# Altium PCB Monitait_V2.PcbDoc (part 1 of 2)
Units mm, origin at the board's own origin, x right, y up, seen from the top; angles counter-clockwise.
Board outline 155 x 115 mm, 2 copper layers (Top Layer, Bottom Layer); 104 components, 93 nets, 350 pads, 300 vias.
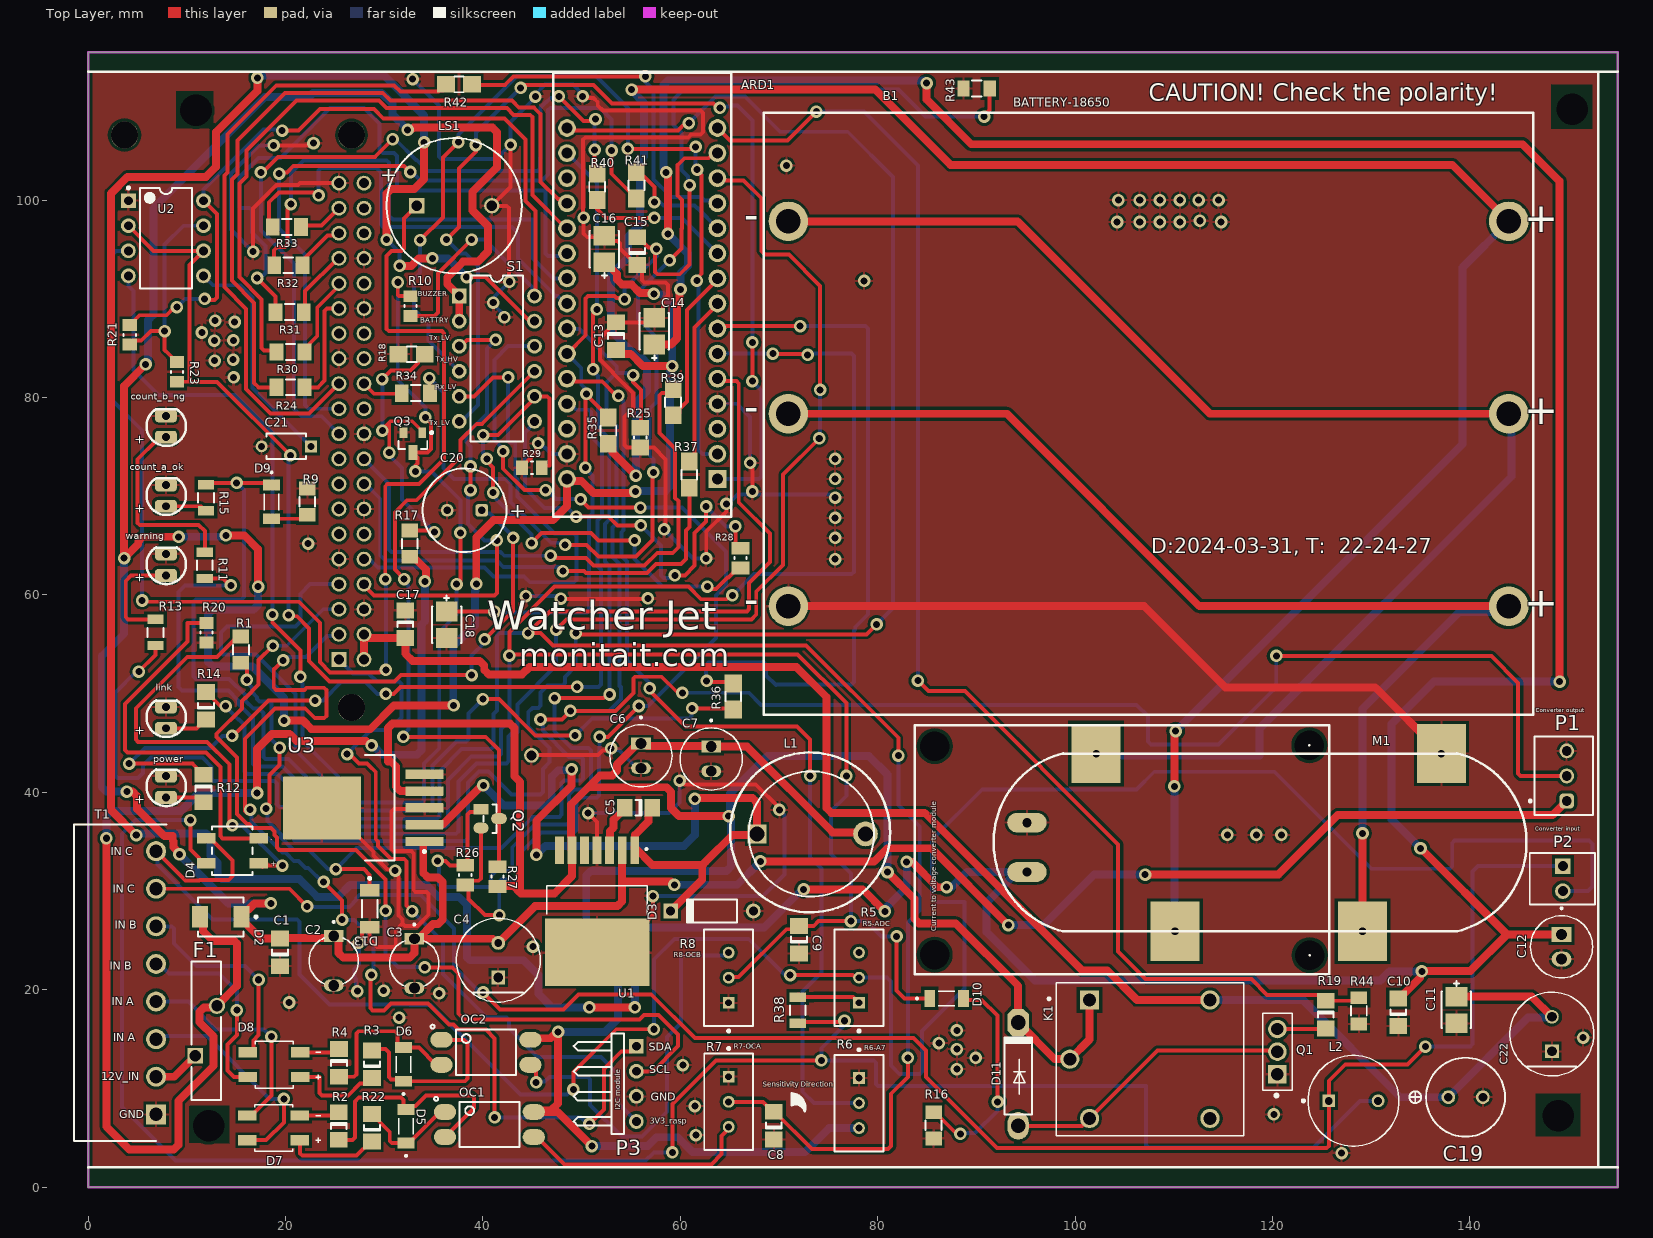
[diagram p0: Top Layer view]
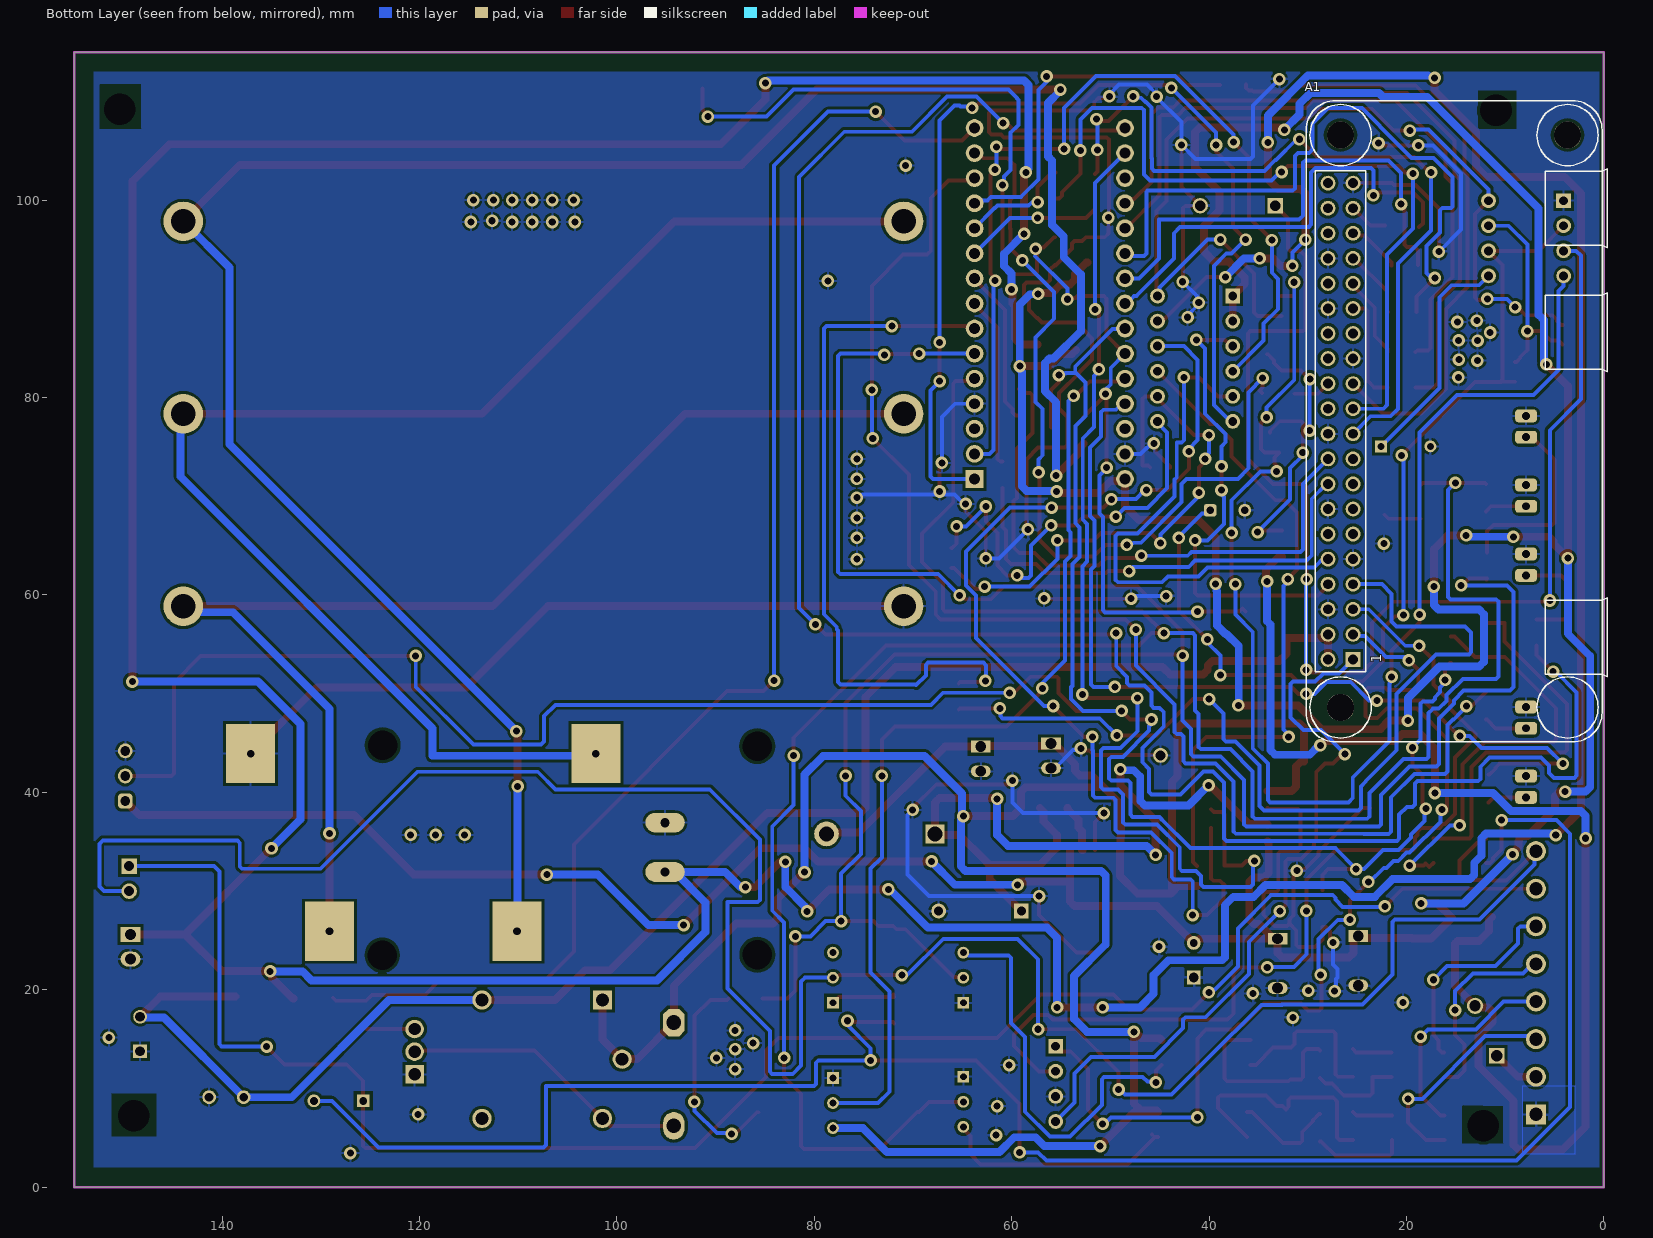
[diagram p1: Bottom Layer view, seen from below]

## Layer stack, top to bottom
Top Solder: solder mask 0.0102, Solder Resist, Dk 3.5
Top Layer: signal copper 0.0356
Dielectric 1: dielectric 0.32, FR-4, Dk 4.8
Bottom Layer: signal copper 0.0356
Bottom Solder: solder mask 0.0102, Solder Resist, Dk 3.5

## Board outline
0,0 155,0 155,115 0,115

## Design rules (kind name [scope] priority, off if disabled: settings)
Clearance [All] p1: gap=0.3 ignorepadtopadclearanceinfootprint=TRUE
ComponentClearance [All] p1: gap=0 collisioncheckmode=3 verticalgap=0 showdistances=FALSE
PolygonConnect [All] p1: connectstyle=Relief reliefconductorwidth=0.254 reliefentries=4 polygonreliefangle="90 Angle" airgapwidth=0.254
RoutingVias [All] p1: holewidth=0.711 width=1.27 viastyle="Through Hole" minholewidth=0.711 minwidth=1.27 maxholewidth=0.711 maxwidth=1.27
SilkToSilkClearance [All] p1: silktosilkclearance=-0.025
SolderMaskExpansion [All] p1: expansion=0.102 istentingtop=FALSE
Width [All] p1: maxlimit=2 minlimit=0.4 preferedwidth=0.4
28 further rules are at their usual default settings.

## Components (designator, comment, footprint, x,y, rotation, side; value= is the part's Value field where it differs from the comment)
A1 "ADA3708" ADA3708_RPI-ZERO 26.67,77.597 r90 bottom
ARD1 "Nano R3" Arduino_Nano_R3 56.134,89.535 r180 top
B1 "Battery_18650" Battery-18650 107.442,78.359 r180 top
C1 "C1206" 1206 19.441,23.775 r90 top value=0.47uf
C2 "22uf16v" CAPPRD500W45D500H500 24.874,22.924 r270 top
C3 "22uf16v" CAPPRD500W45D500H500 33.043,22.663 r270 top
C4 "1000uF" FP-RAD-TH-D_8_0_5-L_15_1-MFG#1 41.547,22.989 r90 top
C5 "C1206" 1206 55.756,38.437 r180 top value=0.01uF
C6 "180uF16v" CAPPRD250W50D630H1650#1 56.007,43.688 r270 top
C7 "180uF16v" CAPPRD250W50D630H1650#1 63.127,43.378 r270 top
C8 "C1206" 1206 69.469,6.223 r90 top value=1uf
C9 "C1206" 1206 72.018,25.063 r90 top value=1uf
C10 "C1206" 1206 132.754,17.71 r90 top value=100nF
C11 "10UF" FP-T491B106K020AT-MFG 138.643,17.942 r90 top
C12 "180uF16v" CAPPRD250W50D630H1650#2 149.297,24.346 r270 top
C13 "C1206" 1206 53.484,86.226 r270 top value=100nF
C14 "10UF" FP-T491B106K020AT-MFG 57.359,86.732 r270 top
C15 "C1206" 1206 55.621,94.846 r90 top value=100nF
C16 "10UF" FP-T491B106K020AT-MFG 52.297,95.053 r270 top
C17 "C1206" 1206 32.131,57.023 r270 top value=100nF
C18 "10UF" FP-T491B106K020AT-MFG 36.322,56.98 r90 top
C19 "EEU-FR1C102L" PNSC-FR-A-8X20-2_V 139.571,9.101 r0 top
C20 "10uF" WCAP-ATLL_D8H11.5 38.128,68.58 r0 top
C21 "0.1uF" FP-K15H5-MFG 20.066,75.057 r180 top
C22 "1000uF" FP-RAD-TH-D_8_0_5-L_15_1-MFG#2 148.318,15.503 r90 top
count_a_ok "LED5_BLUE" LED-3mm 8,70 r180 top
count_b_ng "LED3_BLUE" LED-3mm 8,77 r180 top
D2 "STTH212U" FP-SMB-MFG 13.442,27.381 r180 top
D3 "1N5821" 299-02 63.209,27.965 r180 top
D4 "MB10F-13" FP-MBF-MFG 14.607,34.076 r180 top value=8pF
D5 "LLZ5248B" DIOMELF3515N 32.199,6.162 r90 top
D6 "LLZ5248B" DIOMELF3515N 31.937,12.422 r90 top
D7 "MB10F-13" DIOB_MB10F-13 18.793,5.996 r180 top
D8 "MB10F-13" DIOB_MB10F-13 18.826,12.396 r180 top
D9 "LLZ5248B" DIOMELF3515N 18.563,69.425 r270 top
D10 "LLZ5248B" DIOMELF3515N 86.979,19.105 r0 top
D11 "1N4007" My_DO-41 93.98,16.891 r270 top
D13 "TZMC3V3-GS08" FP-6_560-5005_01-4-MFG 28.52,28.21 r270 top
F1 "RUEF400" FP-RUEF400-MFG 11.941,15.834 r90 top value=0.01-0.05Ω
K1 "1-1721150-3" RELAY_1-1721150-3 107.569,12.954 r0 top
L1 "AIUR-06-100K" ABRA-AIUR-06-2_V 73.278,35.779 r0 top
L2 "RLB0914-102KL" FP-RLB0914-MFG 128.209,8.735 r0 top
link "LED4_RED" LED-3mm 8,47.5 r180 top
LS1 "KPEG242" KINGS-KPEG242-2 37.084,99.441 r0 top
M1 "FL10A" FL10A 118.745,34.925 r180 top
OC1 "PC81713NIP0X" SOT254P1025X400-4N 40.648,6.337 r0 top
OC2 "PC81713NIP0X" SOT254P1025X400-4N 40.298,13.648 r0 top
P1 "61900311121" 61900311121 149.522,41.659 r270 top
P2 "22-23-5024" FP-22-23-5024-MFG 149.374,31.25 r270 top
P3 "Header 4H" HDR1X4H 55.541,14.268 r270 top
power "LED2_GREEN" LED-3mm 8,40.5 r180 top
Q1 "BD135" TO229P780X300X2000-3 120.5,11.427 r90 top
Q2 "BSS138" FP-318-08-IPC_B 40.715,37.333 r0 top
Q3 "BC817-16LT1G" ONSC-SOT-23-3-318-08_V 32.893,75.438 r270 top
R1 "240" FP-CRCW1206-e3-IPC_C#1 15.47,54.447 r270 top
R2 "300" 1206 25.392,6.183 r270 top
R3 "300" 1206 28.741,12.444 r90 top
R4 "300" 1206 25.414,12.575 r270 top
R5 "3296W-1-500OHM" FP-3296W-MFG 78.1,21.209 r0 top
R6 "3296W-1-103LF" FP-3296W-MFG 78.11,8.509 r180 top
R7 "3296W-1-103LF" FP-3296W-MFG 64.902,8.636 r180 top
R8 "3296W-1-103LF" FP-3296W-MFG 64.892,21.209 r0 top
R9 "10K" FP-CRCW1206-e3-IPC_C#1 22.202,69.448 r270 top
R10 "RC0805JR-68K" RESC2013X60X35ML10T20#1 32.661,89.272 r90 top
R11 "300" FP-CRCW1206-e3-IPC_C#2 11.811,62.992 r270 top
R12 "470" 1206 11.684,40.386 r270 top
R13 "470" FP-CRCW1206-e3-IPC_C#2 6.812,56.2 r270 top
R14 "470" 1206 11.938,48.768 r90 top
R15 "300" FP-CRCW1206-e3-IPC_C#2 11.938,69.85 r270 top
R16 "10K" FP-CRCW1206-e3-IPC_C#1 85.663,6.248 r90 top
R17 "68K" FP-CRCW1206-e3-IPC_C#1 32.578,65.197 r270 top
R18 "33K" FP-CRCW1206-e3-IPC_C#3 32.777,84.39 r0 top
R19 "10K" 1206 125.41,17.476 r270 top
R20 "RC0805JR-240OHM" RESC2013X60X35ML10T20#1 11.983,56.171 r270 top
R21 "RC0805JR-68K" RESC2013X60X35ML10T20#1 4.191,86.36 r270 top
R22 "300" 1206 28.741,6.009 r90 top
R23 "RC0805JR-68K" RESC2013X60X35ML10T20#1 8.987,82.601 r270 top
R24 "300" FP-CRCW1206-e3-IPC_B#1 20.5,81.042 r0 top
R25 "RC0805JR-270OHM" RESC2013X60X35ML10T20#2 55.945,75.946 r270 top
R26 "RC0805JR-10KOHM" RESC2013X60X35ML10T20#3 38.193,31.603 r90 top
R27 "RC0805JR-10KOHM" RESC2013X60X35ML10T20#3 41.475,31.462 r270 top
R28 "RC0805JR-2.2KOHM" RESC2013X60X35ML10T20#3 66.095,63.734 r90 top
R29 "RC0805JR-3.3KOHM" RESC2013X60X35ML10T20#1 44.958,72.898 r0 top
R30 "300" FP-CRCW1206-e3-IPC_B#1 20.487,84.622 r0 top
R31 "300" FP-CRCW1206-e3-IPC_B#1 20.413,88.661 r0 top
R32 "300" FP-CRCW1206-e3-IPC_B#1 20.271,93.411 r0 top
R33 "300" FP-CRCW1206-e3-IPC_B#2 20.127,97.285 r0 top
R34 "300" FP-CRCW1206-e3-IPC_B#1 33.192,80.452 r180 top
R35 "68K" FP-CRCW1206-e3-IPC_C#3 52.705,76.652 r270 top
R36 "300" FP-CRCW1206-e3-IPC_C#4 65.363,49.703 r90 top
R37 "300" FP-CRCW1206-e3-IPC_C#3 60.906,72.184 r90 top
R38 "470" FP-CRCW1206-e3-IPC_C#2 71.899,17.916 r90 top
R39 "300" FP-CRCW1206-e3-IPC_C#3 59.264,79.523 r270 top
R40 "300" FP-CRCW1206-e3-IPC_C#3 51.569,101.347 r270 top
R41 "300" FP-CRCW1206-e3-IPC_C#3 55.544,101.5 r90 top
R42 "300" FP-CRCW1206-e3-IPC_C#3 37.572,111.738 r0 top
R43 "33K" FP-CRCW1206-e3-IPC_C#5 90.021,111.312 r0 top
R44 "33K" FP-CRCW1206-e3-IPC_C#6 128.757,17.854 r90 top
S1 "SW DIP-6" DIP-12/SW 41.402,83.936 r270 top
T1 "1803332" SHDRRA8W83P0X381_1X8_3187X920X 6.873,20.701 r90 top
U1 "LM2678S-5.0" TO127P1435X464-8N 51.562,27.94 r180 top
U2 "NE555P" P0008A 7.874,96.139 r0 top
U3 "LM2596SX-ADJ/NOPB" KTT0005B_L 27.857,38.419 r180 top
warning "LED1_RED" LED-3mm 8,63 r180 top

## Footprints (in the part's own frame and the unit in brackets; to place one, negate y for a bottom-side part, rotate by r counter-clockwise, add the part's x,y. Pads: shape width x height; smd on the part's side, far side on the other; paste and mask are expansions set on the pad)
299-02 [mm] "Diode, Axial; Body 5.1 x 2.3 mm (LxDia. max), Lead Dia. 0.56 mm (max)"
  round 1.5 hole 0.9: 1(-4.19,0)
  rect 1.5x1.5 hole 0.9: 2(4.19,0)
  silkscreen extent -2.55,-1.15 2.65,1.15
1206 [mm] "Chip Capacitor; Body 3.2 x 1.6 mm (LxW typ)"
  rect 1.6x1.8 smd: 1(-1.4,0) 2(1.4,0)
  silkscreen extent -0.3,-0.8 0.3,0.8
61900311121 [mm] "2.54mm Male Locking Header, 3p"
  rrect50% 1.5x1.5 hole 1: 1(2.54,0.3)
  round 1.5 hole 1: 2(0,0.3) 3(-2.54,0.3)
  silkscreen extent -3.98,-3.52 3.98,2.98, body extent -3.81,-2.9 3.81,2.9, height 11.53
ABRA-AIUR-06-2_V [mm] "Through Hole, 2-Leads, Dia 12.7mm"
  rect 1.9x1.9 hole 1.5: 1(-5.515,0)
  round 2.5 hole 1.5: 2(5.485,0)
  silkscreen extent -6.35,-6.35 6.35,6.35, body extent -6.35,-6.35 6.35,6.35, height 18
ADA3708_RPI-ZERO [mm]
  rect 1.508x1.508 hole 1: 1(-24.13,-1.27)
  round 1.508 hole 1: 2(-24.13,1.27) 3(-21.59,-1.27) 4(-21.59,1.27) 5(-19.05,-1.27) 6(-19.05,1.27) 7(-16.51,-1.27) 8(-16.51,1.27) 9(-13.97,-1.27) 10(-13.97,1.27) 11(-11.43,-1.27) 12(-11.43,1.27) 13(-8.89,-1.27) 14(-8.89,1.27) 15(-6.35,-1.27) 16(-6.35,1.27) 17(-3.81,-1.27) 18(-3.81,1.27) 19(-1.27,-1.27) 20(-1.27,1.27) 21(1.27,-1.27) 22(1.27,1.27) 23(3.81,-1.27) 24(3.81,1.27) 25(6.35,-1.27) 26(6.35,1.27) 27(8.89,-1.27) 28(8.89,1.27) 29(11.43,-1.27) 30(11.43,1.27) 31(13.97,-1.27) 32(13.97,1.27) 33(16.51,-1.27) 34(16.51,1.27) 35(19.05,-1.27) 36(19.05,1.27) 37(21.59,-1.27) 38(21.59,1.27) 39(24.13,-1.27) 40(24.13,1.27)
  round 0 all layers, no hole: ""(-29,-23)
  round 2.75 hole 2.75 unplated: ""(-29,0) ""(29,-23) ""(29,0)
  silkscreen extent -32.5,-27 32.5,3.5
Arduino_Nano_R3 [mm] "Arduino Nano R3, 30-Leads, Row Spacing 15.24mm, Pitch 2.54mm"
  rect 1.8x1.8 hole 1.1: 1(-7.62,17.78)
  round 1.8 hole 1.1: 2(-7.62,15.24) 3(-7.62,12.7) 4(-7.62,10.16) 5(-7.62,7.62) 6(-7.62,5.08) 7(-7.62,2.54) 8(-7.62,0) 9(-7.62,-2.54) 10(-7.62,-5.08) 11(-7.62,-7.62) 12(-7.62,-10.16) 13(-7.62,-12.7) 14(-7.62,-15.24) 15(-7.62,-17.78) 16(7.62,-17.78) 17(7.62,-15.24) 18(7.62,-12.7) 19(7.62,-10.16) 20(7.62,-7.62) 21(7.62,-5.08) 22(7.62,-2.54) 23(7.62,0) 24(7.62,2.54) 25(7.62,5.08) 26(7.62,7.62) 27(7.62,10.16) 28(7.62,12.7) 29(7.62,15.24) 30(7.62,17.78)
  silkscreen extent -9,-23.4 9,21.6, body extent -9,-23.4 9,21.6, height 12.72
Battery-18650 [mm]
  round 4 hole 2.5: B1+(-36.5,19.5) B1-(36.5,19.5) B2+(-36.5,0) B2-(36.5,0) B3+(-36.5,-19.5) B3-(36.5,-19.5)
  silkscreen extent -39,-30.5 39,30.5
CAPPRD250W50D630H1650#1 [mm]
  oval 1.2x2 hole 1.1: N(1.25,0)
  rect 1.2x2 hole 1.1: P(-1.25,0)
  silkscreen extent -4,-3.15 3.15,3.15
CAPPRD250W50D630H1650#2 [mm]
  oval 1.5x2 hole 1.1: N(1.25,0)
  rect 1.5x2 hole 1.1: P(-1.25,0)
  silkscreen extent -4,-3.15 3.15,3.15
CAPPRD500W45D500H500 [mm]
  oval 1.2x2 hole 1.1: N(2.5,0)
  rect 1.2x2 hole 1.1: P(-2.5,0)
  silkscreen extent -4.04,-2.5 2.32,2.5, body extent -2.73,-2.5 2.73,2.5, height 5
DIOB_MB10F-13 [mm]
  rect 1.875x1.05 smd: 1(-2.662,1.25) 2(2.662,1.25) 3(-2.662,-1.25) 4(2.662,-1.25)
  silkscreen extent -4.75,-2.36 1.92,2.36, body extent -3.35,-2.36 3.35,2.36, height 1.8
DIOMELF3515N [mm]
  rect 1.11x1.73 smd: A(1.705,0) C(-1.705,0)
  silkscreen extent -3.1,-0.75 0.83,0.75, body extent -1.75,-0.8 1.75,0.8, height 1.6
DIP-12/SW [mm] "DIP Switch; 12 Leads"
  rect 1.5x1.5 hole 0.9: 1(-6.35,-3.81)
  round 1.5 hole 0.9: 2(-3.81,-3.81) 3(-1.27,-3.81) 4(1.27,-3.81) 5(3.81,-3.81) 6(6.35,-3.81) 7(6.35,3.81) 8(3.81,3.81) 9(1.27,3.81) 10(-1.27,3.81) 11(-3.81,3.81) 12(-6.35,3.81)
  silkscreen extent -8.43,-2.65 8.41,2.65
FL10A [mm]
  rect 5x6 hole 0.762: B1(-10.38,9) B2(16.62,-9) B+(8.62,9) B-(-18.38,-9)
  oval 4x2 hole 0.95: P+(23.622,3) P-(23.622,-2)
  silkscreen extent -27,-9.03 27,9.03
FP-6_560-5005_01-4-MFG [mm]
  rect 1.25x2 smd paste+0 mask+0: 1(-1.875,0) 2(1.875,0)
  silkscreen extent -3.2,-0.8 0.87,0.8, body extent -2.6,-1.1 2.6,1.1, height 0.25
FP-22-23-5024-MFG [mil]
  rect 61.65x61.65 hole 40 paste-39370.1 mask+0: 1(-50,2)
  round 61.65 hole 40 paste-39370.1 mask+0: 2(50,2)
  silkscreen extent -102,-130 102,130, body extent -106,-134 106,134, height 10
FP-318-08-IPC_B [mm]
  rect 1.524x1.1 smd paste+0 mask+0: 1(-0.91,0.95)
  rrect100% 1.524x1.1 smd paste+0 mask+0: 2(-0.91,-0.95)
  rrect100% 1.6x1.1 smd paste+0 mask+0: 3(0.91,0)
  silkscreen extent -0.65,-1.45 0.65,1.45, body extent -1.92,-1.7 1.92,1.7, height 0.25
FP-3296W-MFG [mm]
  rect 1.2x1.2 hole 0.7 paste-1000 mask+0: 1(0.005,-2.54)
  round 1.2 hole 0.7 paste-1000 mask+0: 2(0.005,0) 3(0.005,2.54)
  silkscreen extent -2.48,-5.52 2.48,4.89, body extent -2.58,-4.99 2.58,4.99, height 0.25
FP-CRCW1206-e3-IPC_B#1 [mm]
  rect 1.4x1.758 smd paste+0 mask+0: 1(-1.426,0) 2(1.426,0)
  silkscreen extent -0.47,-0.8 0.47,0.8, body extent -2.25,-1.13 2.25,1.13, height 0.25
FP-CRCW1206-e3-IPC_B#2 [mm]
  rect 1.4x1.758 smd paste+0 mask+0: 1(-1.426,0)
  rect 1.4x1.8 smd paste+0 mask+0: 2(1.426,0)
  silkscreen extent -0.47,-0.8 0.47,0.8, body extent -2.25,-1.13 2.25,1.13, height 0.25
FP-CRCW1206-e3-IPC_C#1 [mm]
  rect 1.4x1.658 smd paste+0 mask+0: 1(-1.326,0) 2(1.326,0)
  silkscreen extent -0.47,-0.8 0.47,0.8, body extent -1.9,-0.97 1.9,0.97, height 0.25
FP-CRCW1206-e3-IPC_C#2 [mm]
  rect 0.956x1.658 smd paste+0 mask+0: 1(-1.326,0) 2(1.326,0)
  silkscreen extent -0.47,-0.8 0.47,0.8, body extent -1.9,-0.97 1.9,0.97, height 0.25
FP-CRCW1206-e3-IPC_C#3 [mm]
  rect 1.8x1.658 smd paste+0 mask+0: 1(-1.326,0) 2(1.326,0)
  silkscreen extent -0.47,-0.8 0.47,0.8, body extent -1.9,-0.97 1.9,0.97, height 0.25
FP-CRCW1206-e3-IPC_C#4 [mm]
  rect 1.8x1.8 smd paste+0 mask+0: 1(-1.326,0) 2(1.326,0)
  silkscreen extent -0.47,-0.8 0.47,0.8, body extent -1.9,-0.97 1.9,0.97, height 0.25
FP-CRCW1206-e3-IPC_C#5 [mm]
  rect 1.23x1.658 smd paste+0 mask+0: 1(-1.326,0) 2(1.326,0)
  silkscreen extent -0.47,-0.8 0.47,0.8, body extent -1.9,-0.97 1.9,0.97, height 0.25
FP-CRCW1206-e3-IPC_C#6 [mm]
  rect 1.3x1.658 smd paste+0 mask+0: 1(-1.326,0) 2(1.326,0)
  silkscreen extent -0.47,-0.8 0.47,0.8, body extent -1.9,-0.97 1.9,0.97, height 0.25
FP-K15H5-MFG [mm]
  rect 1.2x1.2 hole 0.7 paste-1000 mask+0: 1(-2.5,0)
  round 1.2 hole 0.7 paste-1000 mask+0: 2(2.5,0)
  silkscreen extent -2,-1.3 2,1.3, body extent -3.2,-1.4 3.2,1.4, height 0.25
FP-MBF-MFG [mm]
  rect 1.875x1.05 smd paste+0 mask+0: 1(-2.662,1.25) 2(2.662,1.25) 3(-2.662,-1.25) 4(2.662,-1.25)
  silkscreen extent -2.05,-2.47 2.05,2.47, body extent -3.7,-2.58 3.7,2.58, height 0.25
FP-RAD-TH-D_8_0_5-L_15_1-MFG#1 [mm]
  rect 1.4x1.4 hole 1 paste-1000 mask+0: 1(-1.75,0)
  round 1.4 hole 0.8 paste-1000 mask+0: 2(1.75,0)
  silkscreen extent -4.25,-4.25 4.25,4.25, body extent -4.35,-4.35 4.35,4.35, height 0.25
FP-RAD-TH-D_8_0_5-L_15_1-MFG#2 [mm]
  rect 1.4x1.4 hole 1 paste-1000 mask+0: 1(-1.75,0)
  round 1.4 hole 1 paste-1000 mask+0: 2(1.75,0)
  silkscreen extent -4.25,-4.25 4.25,4.25, body extent -4.35,-4.35 4.35,4.35, height 0.25
FP-RLB0914-MFG [mm]
  rect 1.3x1.3 hole 0.8 paste-1000 mask+0: 1(-2.5,0)
  round 1.3 hole 0.8 paste-1000 mask+0: 2(2.5,0)
  silkscreen extent -5.2,-4.6 4.6,4.6, body extent -4.7,-4.7 4.7,4.7, height 0.25
FP-RUEF400-MFG [mm]
  rect 1.55x1.55 hole 1.143 paste-1000 mask+0: 1(-2.525,1.095)
  round 1.651 hole 1.143 paste-1000 mask+0: 2(2.525,-1.095)
  silkscreen extent -7,-1.5 7,1.5, body extent -7.1,-1.97 7.1,1.97, height 0.25
FP-SMB-MFG [mm]
  rect 1.62x2.18 smd paste+0 mask+0: 1(-2.11,0) 2(2.11,0)
  silkscreen extent -3.68,-1.97 2.3,1.97, body extent -3.02,-2.07 3.02,2.07, height 0.25
FP-T491B106K020AT-MFG [mm]
  rect 2x2.2 smd paste+0 mask+0: 1(-1.35,0) 2(1.35,0)
  silkscreen extent -1.85,-1.5 2.95,1.5, body extent -2.18,-1.62 2.18,1.62, height 0.25
HDR1X4H [mm] "Connector; Header; 4 Position; Right Angle"
  rect 1.5x1.5 hole 0.9: 1(0,0)
  round 1.5 hole 0.9: 2(2.54,0) 3(5.08,0) 4(7.62,0)
  silkscreen extent -1.27,-6.35 8.89,-1.27
KINGS-KPEG242-2 [mm] "THD, 2-Leads, Dia 13.7mm, Pitch 7.62mm"
  rect 1.55x1.55 hole 1.05: 1(-3.81,0)
  round 1.55 hole 1.05: 2(3.81,0)
  silkscreen extent -6.85,-6.85 6.85,6.85, body extent -6.85,-6.85 6.85,6.85, height 7.6
KTT0005B_L [mm] "DPAK, 5-Leads, Body 10.65x9.65mm, Pitch 1.7mm, IPC High Density"
  rrect11% 3.85x0.95 smd: 1(-6.2,3.4) 2(-6.2,1.7) 3(-6.2,0) 4(-6.2,-1.7) 5(-6.2,-3.4)
  rrect2% 7.9x6.4 smd: 6(4.15,0)
  silkscreen extent -6.33,-5.35 -0.2,5.35, body extent -3.2,-5.32 6.45,5.33, height 4.83
LED-3mm [mm] "LED; 2 Leads"
  rrect50% 2.2x1.3 hole 0.8: 1(0.127,1.016) 2(0.127,-1.143)
  silkscreen extent -1.9,-1.81 2.09,1.89
My_DO-41 [mil]
  oval 110x85 hole 59.06: A(420.71,10)
  oct 110x85 hole 59.06: K(8.9,10)
  silkscreen extent 64,-45 375,65
ONSC-SOT-23-3-318-08_V [mm] "SOT23, 3-Leads, Body 2.92x1.3mm, Pitch 0.95mm"
  rect 1.1x0.8 smd: 1(-1,0.95) 2(-1,-0.95)
  rect 1.5x0.9 smd: 3(1,0)
  silkscreen extent -1.12,-1.46 0.65,2.03, body extent -0.65,-1.46 0.65,1.46, height 1.11
P0008A [mm] "DIP, 8-Leads, Body 10.15x6.6mm, Pitch 2.54mm"
  rect 1.5x1.5 hole 0.9: 1(-3.81,3.81)
  round 1.5 hole 0.9: 2(-3.81,1.27) 3(-3.81,-1.27) 4(-3.81,-3.81) 5(3.81,-3.81) 6(3.81,-1.27) 7(3.81,1.27) 8(3.81,3.81)
  silkscreen extent -3.93,-5.1 2.65,5.23, body extent -3.95,-5.07 3.95,5.07, height 5.08
PNSC-FR-A-8X20-2_V [mm] "Radial Lead, 2-Leads, Dia 8mm, Body Length 22mm, Pin Spacing 3.5mm"
  round 1.4 hole 0.9: 1(-1.75,0) 2(1.75,0)
  silkscreen extent -5.7,-4 4,4, body extent -3.97,-3.99 4,3.99, height 22
RELAY_1-1721150-3 [mm]
  rect 1.95x1.95 hole 1.3: A1(-6.1,6)
  round 1.95 hole 1.3: A2(-6.1,-6) COM(-8.1,0) NC(6.1,6) NO(6.1,-6)
  silkscreen extent -10.3,-7.75 9.5,7.75
RESC2013X60X35ML10T20#1 [mm] "Chip Resistor, 2-Leads, Body 2.1x1.35mm, IPC Low Density"
  rect 1.2x1.45 smd: 1(-1,0) 2(1,0)
  silkscreen extent -0.1,-0.63 0.1,0.63, body extent -1.05,-0.68 1.05,0.67, height 0.6
RESC2013X60X35ML10T20#2 [mm] "Chip Resistor, 2-Leads, Body 2.1x1.35mm, IPC Low Density"
  rect 1.6x1.8 smd: 1(-1,0) 2(1,0)
  silkscreen extent -0.1,-0.63 0.1,0.63, body extent -1.05,-0.68 1.05,0.67, height 0.6
RESC2013X60X35ML10T20#3 [mm] "Chip Resistor, 2-Leads, Body 2.1x1.35mm, IPC Low Density"
  rect 1.3x1.8 smd: 1(-1,0) 2(1,0)
  silkscreen extent -0.1,-0.63 0.1,0.63, body extent -1.05,-0.68 1.05,0.67, height 0.6
SHDRRA8W83P0X381_1X8_3187X920X [mm]
  rect 2.025x2.025 / inner round 2.025 / far side rect 2.025x2.025 hole 1.35: 1(-13.335,0)
  round 2.025 hole 1.35: 2(-9.525,0) 3(-5.715,0) 4(-1.905,0) 5(1.905,0) 6(5.715,0) 7(9.525,0) 8(13.335,0)
  silkscreen extent -16.03,-1.05 16.03,8.3
SOT254P1025X400-4N [mm]
  oval 2.25x1.6 smd: 1(-4.5,1.27) 2(-4.5,-1.27) 3(4.5,-1.27) 4(4.5,1.27)
  silkscreen extent -5.6,-2.3 3.05,2.8, body extent -4.87,-2.29 4.87,2.29, height 4
TO127P1435X464-8N [mm]
  rect 0.89x2.79 smd: 1(-3.81,-6.19) 2(-2.54,-6.19) 3(-1.27,-6.19) 4(0,-6.19) 5(1.27,-6.19) 6(2.54,-6.19) 7(3.81,-6.19)
  rect 10.58x6.84 smd paste-6: 8(0,4.16)
  silkscreen extent -5.1,-6.4 5.08,0.3, body extent -5.05,-7.62 5.05,7.62, height 4.65
TO229P780X300X2000-3 [mm]
  rect 1.875x1.875 / inner round 1.875 / far side rect 1.875x1.875 hole 1.25: 1(0,0)
  round 1.875 hole 1.25: 2(2.29,0) 3(4.58,0)
  silkscreen extent -2.31,-1.5 6.19,1.5, body extent -3.8,-1.52 3.8,1.14, height 13.2
WCAP-ATLL_D8H11.5 [mm] "Aluminum Electrolytic Capacitors, 8x11.5mm"
  rrect50% 1.3x1.3 hole 0.8: 1(1.75,0)
  round 1.3 hole 0.8: 2(-1.75,0)
  silkscreen extent -4.25,-4.25 4.25,4.25, body extent -3.99,-4 4,4, height 11.81

## Part data
A1: "Raspberry Pi Zero WH (Zero W with Headers)", Package=None, Availability=Unavailable, MP=ADA3708, Price=None
ARD1: library part "Arduino Nano R3", "Arduino Nano R3"
C1 C5 C8 C9 C10 C13 C15 C17: "Ceramic Chip Capacitor - Standard", PackageDocument=Mar-2001, Code_IPC="3216 [1206]", Code_JEITA=1206, ComponentLink1Description="Manufacturer Link", ComponentLink1URL=http://www.kemet.com/, ComponentLink2Description=Datasheet, ComponentLink2URL=http://www.kemet.com/kemet/web/homepage/kechome.nsf/vapubfilesname/F3102TA.pdf/$file/F3102TA.pdf, DatasheetDocument=Mar-2001, LatestRevisionDate=19-Mar-2004, LatestRevisionNote="Silkscreen size reduced.", PackageReference=1206, Published=17-Jul-2002, Publisher="Altium Limited"
C2 C3: library part ECEA1CKS220B, "CAP ALUM 22UF 20% 16V RADIAL", Package="RADIAL-2 Panasonic", Availability="In Stock", Check_prices=https://www.snapeda.com/parts/ECE-A1CKS220B/Panasonic/view-part/2340841/?ref=eda, MF=Panasonic, MP=ECE-A1CKS220B, Price=None, SnapEDA_Link=https://www.snapeda.com/parts/ECE-A1CKS220B/Panasonic/view-part/2340841/?ref=snap
C4 C22: library part CMP-05427-001033-1, "Aluminum Electrolytic Capacitors (Radial Lead Type) 1000uF ±20% 10V", Capacitance=1mF, Case/Package=Radial, ESR (Equivalent Series Resistance)=41mR, Max Operating Temperature=105°C, Min Operating Temperature=-40°C, Package Quantity=200, Ripple Current=1.24A, Tolerance=20%, Voltage=10V, Construction=RADIAL, Contact Plating=Tin, Diameter=8mm, Dissipation Factor=0.19%, Height=15mm, Height - Seated (Max)=0.65inch, Impedance=41mR, Lead Diameter=0.6mm, Lead Pitch=3.5mm, Lead/Base Style=Straight, Length=15mm, Life (Hours)=8000Hour, Mount="Through Hole", Number of Pins=2, Packaging=Bulk, Radiation Hardening=No, REACH SVHC="No SVHC", Ripple Current (AC)=1.24A, RoHS Compliant=Yes, Series=FR, Termination=Radial, Voltage Rating=10V, Voltage Rating (DC)=10V
C6 C7 C12: library part UPM1C181MED1TD, "Cap Aluminum Lytic 180uF 16V 20% (6.3 X 15mm) Radial 2.5mm 285mA 2000h 105Â°C Ammo", Package=None, Check_prices=https://www.snapeda.com/parts/UPM1C181MED1TD/Nichicon/view-part/?ref=eda, MF=Nichicon, MP=UPM1C181MED1TD, SnapEDA_Link=https://www.snapeda.com/parts/UPM1C181MED1TD/Nichicon/view-part/?ref=snap
C11 C14 C16 C18: library part CMP-2000-07191-2, "CAP TANT 10UF 10% 20V 1411", Capacitance=10uF, Case Code (Imperial)=1411, Case Code (Metric)=3528, Dielectric Material=Tantalum, ESR (Equivalent Series Resistance)=2.1R, Leakage Current=2uA, Max Operating Temperature=125°C, Min Operating Temperature=-55°C, Package Quantity=1, Ripple Current=201mA, Tolerance=10%, Voltage=20V, Case/Package=1411, Depth=2.8mm, Dissipation Factor=6%, Failure Rate=0.001%, Features="General Purpose", Height=1.9mm, Height - Seated (Max)=0.083inch, Lead Free="Lead Free", Length=3.5mm, Life (Hours)=2000Hour, Mount="Surface Mount", Number of Pins=2, Packaging="Tape and Reel", Polarity=Polar, Radiation Hardening=No, REACH SVHC="No SVHC", RoHS Compliant=Yes, Termination=SMD/SMT, Voltage Rating=20V, Voltage Rating (DC)=20V, Weight=0.002293oz, Width=2.8mm
C19: library part CMP-0744-00002-1, "Aluminum Electrolytic Capacitor, 1000 uF +/- 20%, 16 V, -40 to 105 degC, 2-Pin THD, Dia 8 mm, Body Length 22 mm, RoHS", Capacitance="1000 uF", Manufacturer=Panasonic, Rated Ripple Current="1560 mA", Rated Voltage="16 V", Resistance="0.03 Ohm", Temperature Range="-40 to 105 degC", Tolerance="+/- 20%", ComponentLink1Description="Manufacturer URL", ComponentLink1URL=http://www.panasonic.com/industrial/electronic-components/, ComponentLink2Description=Datasheet, ComponentLink2URL=http://www.panasonic.com/industrial/includes/pdf/EEU-FR_DataSheet.pdf, DatasheetVersion=Apr-10, Mounting Technology="Through Hole", PackageDescription="2-Pin Radial Lead, Dia 8 mm, Body Length 22 mm, Pin Spacing 3.5 mm", PackageReference=FR-A-8X20-2, PartNumber=EEU-FR1C102L, RoHS=TRUE
C20: library part CMP-03913-53914461-1, "860160574013 WCAP-ATLL Aluminum Electrolytic Capacitors", Capacitance=100µF, Case/Package=Radial, Leakage Current=35µA, Max Operating Temperature=105°C, Min Operating Temperature=-55°C, Ripple Current=414mA, Tolerance=20%, Voltage Rating=35V, Diameter=8mm, Height=11.5mm, Lead Pitch=3.5mm, Length=11.5mm, Life (Hours)=7000hours, Material=Aluminium, NexarPartId=53914461, Pitch=3.5mm, REACH SVHC=Unknown, RoHS=Non-Compliant, Voltage Rating (DC)=35V
C21: library part CMP-02417-000048-1, "CAP CER 0.1UF 50V X7R RADIAL", Capacitance=100nF, Case/Package=Dipped, Dielectric=X7R, Max Operating Temperature=125°C, Min Operating Temperature=-55°C, Package Quantity=5000, Tolerance=10%, Voltage=50V, Construction=RADIAL, Depth=2.5mm, Diameter=500um, Height=4mm, Height - Seated (Max)=0.1inch, Lead Diameter=0.5mm, Lead Length=30mm, Lead Pitch=5mm, Lead/Base Style="Formed Leads", Length=4mm, Mount="Through Hole", Packaging=Bulk, Radiation Hardening=No, RoHS Compliant=Yes, Series=K, Termination=Radial, Thickness=2.6mm, Voltage Rating=50V, Voltage Rating (DC)=50V, Weight=0.005644oz, Width=2.5mm
count_a_ok count_b_ng link power warning: library part "LED 3mm", "Typical LED", Designer="Seyed Mohsen Ghasemian", PackageDescription="LED; 2 Leads", PackageReference=LED, Published=02/04/2012, Publisher=www.picpars.com
D2: library part CMP-12188-000008-1, "DIODE GEN PURP 1.2KV 2A SMB", Forward Current=2A, Manufacturer=STMicroelectronics, Max Junction Temp=+175°C, Max Repetitive Reverse Voltage=1200V, Max Surge Forward Current=40A, Package=SMB, Peak Reverse Current=10uA, Temperature="to +175°C", Automotive=No, Category=Diode, ComponentLink2Description=Datasheet, ComponentLink2URL=https://www.st.com/resource/en/datasheet/stth212.pdf, Device Class L1="Discrete Semiconductors", Device Class L2=Diodes, Device Class L3="Rectifier Diodes", Digikey Description="DIODE GEN PURP 1.2KV 2A SMB", Height=2.65mm, Lead Free=Yes, Manufacturer Part Number=STTH212U, Mouser Description="Rectifiers high voltage diode", Octopart=https://octopart.com/stth212u-stmicroelectronics-658227, RoHS=TRUE, Standoff Height=0.05mm, Temperature Range High=+175°C